# KiCad board PC110.kicad_pcb (continued)
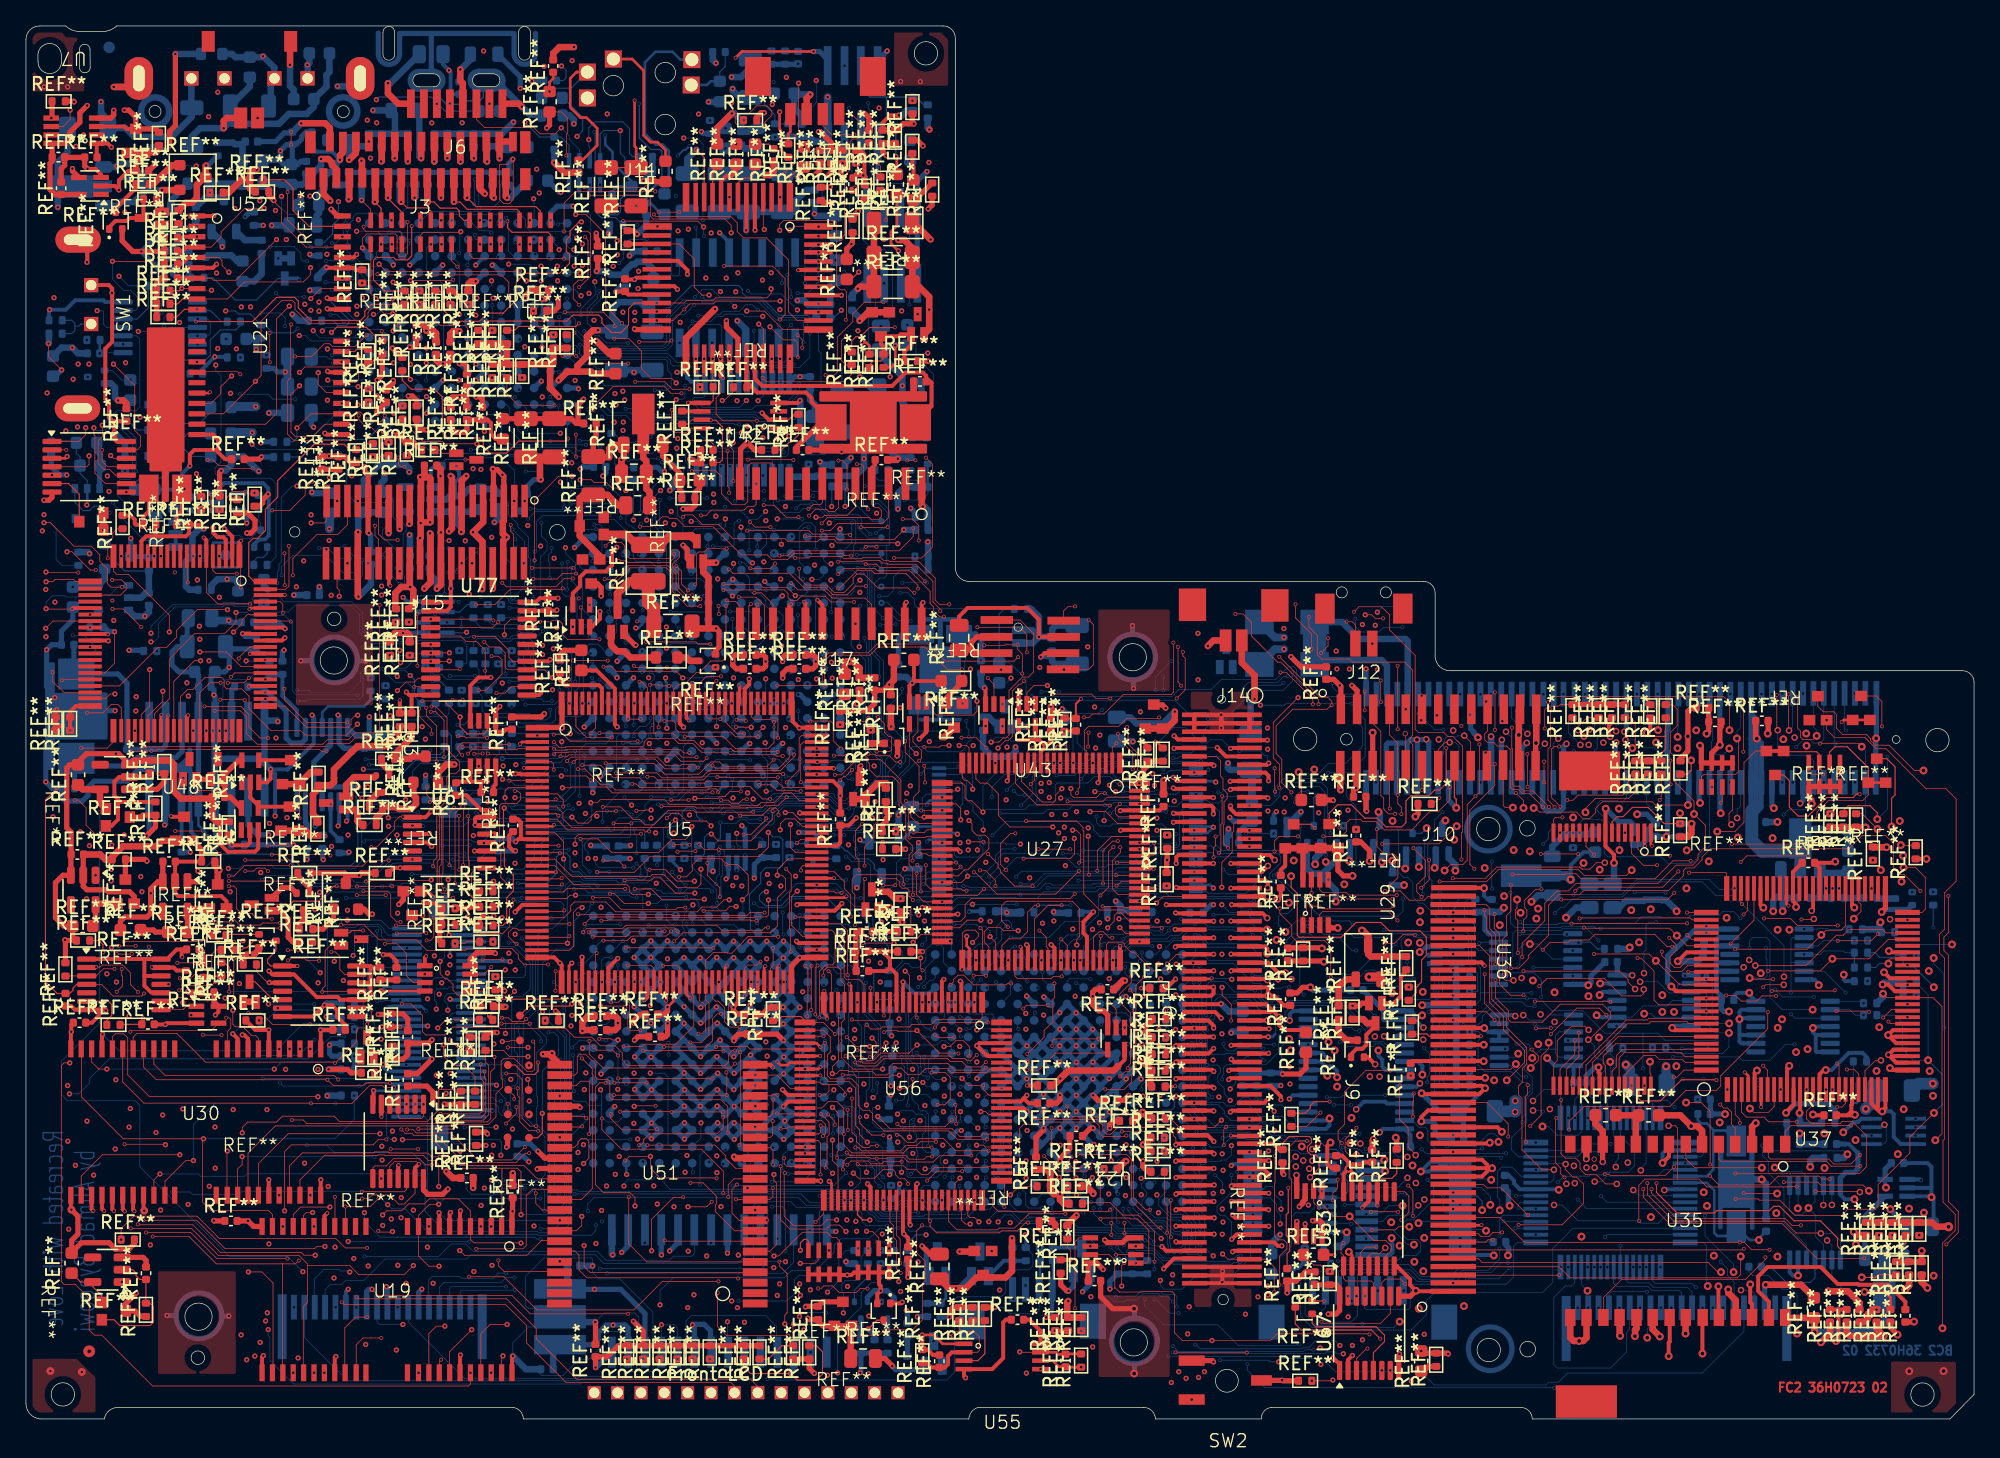
[diagram p0: board, top side]
## Routing (per net, layer and track width the routed paths; a pad name or vN(x,y) marks a point on that pad's centre or on a via; arc(x,y) is an arc through that point) (continued)
  BC2 w0.05: U23.C12 U23.C13 28.54,76.91 27.73,76.1 v1(27.54,76.1) ; U1.P5 60.36,33.53 v11(60.36,33.09) ; v11(65.46,68.27) 65.52,68.27 65.83,68.58 65.87,68.58 65.88,68.59 66.08,68.59 66.33,68.84 66.33,69.89 65.66,70.56 v11(65.32,70.56) ; 60.17,60.37 59.46,61.08 v11(59.46,61.95) ; v11(122.52,30.27) 122.52,30.28 U41.8 ; v11(41.03,58.39) 40.76,58.12 39.44,58.12 39.08,58.48 39.08,59.44 38.73,59.79 v11(38.32,59.79) ; v11(50.88,85.84) 50.52,85.84 49.56,84.88 49.56,82.91 49.13,82.48 43.57,82.48 43.28,82.77 43.28,83.05 42.32,84.01 42.32,84.73 41.9,85.15 41.36,85.15 41.22,85.29 40.92,85.29 U23.M6 ; v11(64.04,71.63) 64.8,70.87 65.68,70.87 66.51,70.04 66.51,67.34 66.47,67.3 66.31,67.3 ; v11(48.69,74.02) 47.28,74.02 47.17,73.91 v11(46.4,73.91) ; v11(41.11,54.5) 41.46,54.15 42.72,54.15 42.93,54.36 42.93,54.97 43.22,55.26 43.67,55.26 ; v11(51.34,38.17) 51.32,38.19 U1.G1 ; v11(48.44,79.28) 49.37,79.28 49.7,79.61 49.7,80.52 49.44,80.78 49.44,81.5 49.29,81.65 42.71,81.65 42.33,82.03 42.33,82.27 v11(42.22,82.38) ; v11(44.8,45.51) 44.75,45.46 37.47,45.46 v11(37.22,45.21) ; v11(58.23,60.7) 58.38,60.7 58.71,60.37 58.89,60.37 ; v1(41.27,52.19) 41.27,51.19 40.97,50.89 v13(36.69,50.89) ; 58.89,64.18 59.05,64.02 v11(59.1,64.02) ; v11(19.96,84.22) 19.96,84.85 19.58,85.23 v11(18.06,85.23) ; U41.10 122.48,31.54 v11(122.01,31.54) ; U1.R13 61.48,23.39 60.84,22.75 60.84,19.29 59.83,18.28 v11(57.47,18.28) ; REF**#705.2 65.39,72.63 65.67,72.35 v11(69.01,72.35) ; 61.45,50.18 62.03,50.76 v1(63.2,50.76) ; 55.09,67.99 55.09,68.73 v1(55.08,68.73) ; v11(69.39,78.02) 69.89,78.52 69.89,80.52 69.03,81.38 69.03,81.92 69.25,82.14 v1(69.46,82.14) ; v11(43.3,77.17) 43.3,77.79 v11(43.31,77.8) ; v11(38.59,59.42) 38.88,59.13 38.88,58.18 39.09,57.97 41.09,57.97 41.4,58.28 41.4,58.92 41.87,59.39 42.15,59.39 42.31,59.23 v11(42.31,56.82) ; U14.17 104.51,15.24 104.97,15.7 106.48,15.7 v5(107.24,16.46) ; U54.9 118.27,30.48 118,30.21 116.56,30.21 116.36,30.41 v11(116.21,30.41) ; U1.T5 62.89,33.54 v11(62.99,33.54) ; v1(74.34,52.16) 74.72,52.54 75.6,52.54 75.9,52.24 77.16,52.24 77.72,52.8 77.72,54.09 77.03,54.78 77.03,57 75.76,58.28 74.96,58.28 ; 66.31,67.3 66.31,65.02 66.09,64.8 65.75,64.8 65.37,64.42 65.37,62.4 65.99,61.78 v11(65.99,61.73) ; 66.31,67.3 64.73,67.3 v11(64.41,66.98) ; v11(44.89,55.85) 44.94,55.8 44.94,55.26 ; U1.L1 56.4,38.25 v11(56.34,38.19) ; v11(13.21,82.82) 13.25,82.82 13.27,82.84 ; 52.55,67.99 52.55,67.3 v11(52.5,67.25) ; 54.42,59.61 54.42,58.88 v11(54.43,58.87) ; 54.42,59.61 56.41,59.61 57,60.2 57,61.02 57.63,61.64 ; 54.42,59.61 v11(54.42,61.65) ; 51.28,67.99 51.28,68 51.28,68.33 51.55,68.6 53.7,68.6 53.87,68.77 v1(53.87,69.36) ; v11(33.33,62.97) 33.32,62.99 32.43,62.99 ; v11(67.77,52.46) 68.32,53.01 71.9,53.01 v11(71.92,53.03) ; U23.C9 28.42,81.99 28.23,82.18 v1(28.23,82.52) ; v11(50.69,37.33) 50.69,37.77 50.59,37.87 50.59,38.42 50.71,38.54 50.71,38.96 v1(51.37,39.62) ; U1.T7 62.66,31.05 v11(62.59,31.05) ; v11(35.42,79.26) 35.42,79.36 U23.H11 ; v11(48.11,53.99) 48.11,53.74 47.73,53.36 47.25,53.36 46.81,52.92 v11(46.81,52.62) ; 56.36,65.45 55.84,65.45 55.3,65.99 v11(54.99,65.99) ; v11(36.78,80.67) 36.65,80.67 U23.J10 ; v11(49.58,70.94) 50.28,70.94 v11(50.3,70.96) ; v11(103.19,20.79) 104.16,20.79 v11(104.18,20.77) ; v11(64.64,45.77) 64.26,45.77 64.02,45.53 v11(61.18,45.53) ; v1(39.77,23.55) 39.77,26.81 41.01,28.05 41.01,29.45 40.66,29.8 v11(40.24,29.8) ; U1.P3 60.06,36.37 59.61,36.37 v11(59.58,36.34) ; v11(62.43,33.07) 62.17,32.81 61.88,32.81 U1.R6 ; v11(49.76,42.15) 50.76,41.15 v11(50.81,41.15) ; 132.7,11.73 132.7,11.38 133.02,11.06 134.21,11.06 135.27,10 135.97,10 136.42,9.55 v3(136.42,6.58) ; v11(8.48,73.03) 8.48,75.57 7.35,76.7 6.59,76.7 6.08,76.19 5.42,76.19 v1(5.23,76.38) ; 61.44,66.72 61.44,66.22 61.75,65.9 v1(62.02,65.9) ; U26.14 52.3,78.87 52.15,78.72 51.5,78.72 51.33,78.55 51.33,78.22 51.47,78.08 51.58,78.08 51.88,77.78 55.91,77.78 56.22,78.09 58.65,78.09 59.56,79 v11(59.56,79.74) ; v11(36.55,90.61) 36.55,90.83 U23.J2 ; v1(58.19,67.4) 58.19,67.74 57.94,67.99 57.63,67.99 ; 39.1,83.2 39.14,83.24 U23.L8 39.19,83.31 v11(39.24,83.31) ; U23.J9 36.58,81.97 v11(36.58,81.73) ; v11(133.74,21.07) 133.74,20.32 134.2,19.86 134.2,18.96 135.41,17.75 135.41,15.12 137.15,13.38 REF**#859.12 ; v1(74.62,8.61) 75.31,8.61 75.81,8.11 77.79,8.11 78.04,8.36 J13.2 ; v11(50.99,72.22) 50.99,73.59 50.78,73.8 50.78,74.28 51.03,74.53 57.52,74.53 v11(57.6,74.45) ; 47.48,55.26 47.48,55.42 48.09,56.03 48.09,56.74 48.39,57.04 48.39,57.3 v11(48.12,57.57) ; v1(44.26,25.37) 44.34,25.29 44.34,24.16 ; v3(142.6,46.22) 143.39,47.01 v11(143.39,51.04) ; v11(38.5,73.01) v11(39.51,73.01) ; v11(54.94,44.04) 54.94,44.11 54.75,44.3 v1(54.75,45.13) ; v1(46.21,71.54) 45.71,72.04 45.71,72.83 46.21,73.33 REF**#511.2 ; v11(108.93,40.54) 108.92,40.53 v11(108.92,39.32) ; U23.A10 26.44,80.06 v11(26.4,80.02) ; v11(49.98,63.42) 50.01,63.45 50.01,64.18 ; v11(44.37,77.24) 43.64,76.51 42.64,76.51 v11(42.31,76.84) ; v11(5.68,82.12) 5.73,82.17 7.48,82.17 ; v11(58.35,37.33) 58.29,37.39 v11(58.29,39.03) ; v11(64.69,33.61) 64.69,33.14 64.65,33.1 64.65,31.47 65.81,30.31 65.81,27.58 65.23,27 v11(65.23,25.31) ; v11(42.99,52.8) 42.54,52.8 41.61,53.73 41.2,53.73 40.79,53.32 37.94,53.32 37.82,53.44 36.04,53.44 35.45,52.85 REF**#709.2 ; v11(69.39,64.45) 69.38,64.44 v11(67.5,64.44) ; v11(38.22,62.2) 37.76,61.74 REF**#531.1 ; v11(53.23,58.53) 53.23,59.22 52.7,59.75 49.68,59.75 v1(49.33,59.4) ; v11(54.47,54.22) v11(54.47,53.53) ; v11(41.23,47.91) 41.94,48.62 v11(41.94,50.51) ; v11(110.47,13.94) 111.6,13.94 111.89,13.64 113.02,13.64 ; v11(50.86,40.24) 50.83,40.27 48.73,40.27 48.57,40.43 47.95,40.43 v1(47.94,40.42) ; v11(53.2,50.12) 53.27,50.19 U2.J15 ; v1(62.11,57.09) 62.01,57.09 61.45,56.53 ; v1(36.03,38.76) 36.03,38.27 36.4,37.9 37.67,37.9 38.34,38.57 v11(40.48,38.57) ; v11(24.77,88.22) 24.8,88.25 v11(24.8,88.85) ; U26.11 52.19,72.63 v11(52.19,72.1) ; v11(6.7,70.62) 6.7,70.54 7.39,69.85 7.39,69.45 9.14,67.7 REF**#524.3 ; v5(139.1,16.49) REF**#859.6 ; v11(46.32,74.35) 45.94,74.35 45.67,74.62 45.67,75.58 45.31,75.94 REF**#712.2 ; v11(53.4,43.61) 53.4,41.98 53.16,41.74 v11(53.16,41.22) ; v3(114.94,28.15) 114.67,27.88 U54.2 ; v11(44.58,78.09) 45.14,77.53 46.57,77.53 46.83,77.27 47.39,77.27 47.45,77.21 56.12,77.21 56.45,76.88 57.52,76.88 58.17,76.23 58.99,76.23 59.31,75.91 59.31,74.87 59.84,74.34 61.52,74.34 61.74,74.56 v11(61.74,74.96) ; U23.N7 42.1,84.11 42.1,83.88 43.11,82.87 43.11,82.52 43.31,82.32 49.34,82.32 49.81,82.79 49.81,84.76 50.15,85.1 50.72,85.1 v11(51.47,85.85) ; U23.J11 36.56,79.49 v11(36.56,79.57) ; v11(24.32,72.52) 24.29,72.55 v1(23.37,72.55) ; v11(49.14,72.42) 48.89,72.17 48.67,72.17 48.27,71.77 48.27,68.92 48.09,68.74 48.09,67.44 v11(47.85,67.2) ; U1.R5 61.45,33.65 v11(61.45,33.43) ; v11(43.01,50) 43.01,51.13 v11(42.99,51.15) ; v11(38.33,59.02) 38.33,58.1 38.75,57.68 v11(41.3,57.68) ; 47.47,59.2 47.47,59.19 v11(47.45,59.17) ; U41.4 126.85,32.26 126.42,31.83 124.56,31.83 123.69,30.96 U41.9 ; v11(10.86,95.82) 10.86,96.34 11.08,96.56 v1(13.12,96.56) ; v11(55.7,66.93) 55.7,69.32 55.71,69.33 ; U54.8 117.78,31.13 117.77,31.14 117.32,31.14 116.91,30.73 115.81,30.73 115.42,31.12 v5(115.33,31.12) ; v11(88.35,5.62) 88.76,5.21 98.4,5.21 98.53,5.34 v11(99.17,5.34) ; v11(44.31,32.39) 44.31,33.94 44.69,34.32 45.35,34.32 45.6,34.57 v11(45.6,35) ; v11(40.72,51.17) 37.17,51.17 36.95,51.39 36.95,51.43 36.94,51.44 36.94,52.34 REF**#817.2 ; v1(60.89,57.03) 60.89,57.05 61.45,57.61 61.45,57.8 ; U14.9 112.39,14.59 v3(112.46,14.51) ; 48.73,67.99 48.73,68.49 48.47,68.75 48.47,71.13 48.58,71.24 48.58,71.25 v1(48.88,71.55) ; v1(60.53,64.7) 61.11,64.7 61.44,65.03 61.44,65.45 ; v1(57.62,12.56) 57.14,13.04 57.14,16.17 56.96,16.35 v11(56.45,16.35) ; v11(57.08,24.21) 57.08,26.3 v11(57.07,26.31) ; U23.J8 37.01,83.26 37.27,83 v11(37.27,79.84) ; 43.66,59.2 43.47,59.01 v11(43.47,58.99) ; v11(46.1,47.9) 46.65,47.35 v1(46.65,47.3) ; REF**#859.4 137.8,16.75 v3(137.3,16.25) ; v11(44.39,86.45) 44.39,86.42 43.51,85.54 v11(43.51,85.25) ; v11(127.79,34.16) 128.22,34.16 U41.1 ; v11(108.65,32.44) 108.96,32.44 109.12,32.6 v11(109.12,33.91) ; v11(46.07,72.37) 46.08,72.36 ; U1.C7 45.62,31.76 44.9,31.76 v11(44.31,31.17) ; REF**#713.2 34.47,59.81 34.8,60.14 36.3,60.14 36.55,59.89 37.26,59.89 37.51,60.14 38.79,60.14 v11(39.22,59.71) ; v11(50.36,40.77) 49.65,41.48 49.16,41.48 48.86,41.78 48.31,41.78 47.84,41.31 v11(46.07,41.31) 45.65,41.31 45.47,41.49 42.96,41.49 42.52,41.93 41.76,41.93 41.49,42.2 41.49,43.08 v1(41.41,43.16) ; 60.17,65.45 59.6,66.02 59.6,68.37 59.94,68.71 v11(60.28,68.71) ; v11(46,75.26) 47.01,75.26 v11(47.03,75.24) ; v3(106.03,16.43) 104.97,16.43 104.42,15.89 U14.18 103.25,15.87 v11(103.25,15.77) ; v11(37.69,90.67) 37.69,90.7 U23.K2 ; U1.G15 51.99,21.65 v1(51.99,22.82) ; v11(41.09,56.17) 41.09,56.51 40.91,56.69 38.09,56.69 37.96,56.82 v11(37.23,56.82) ; 62.72,57.8 63.49,57.8 64.53,56.76 64.53,52.61 64,52.08 ; v11(46.78,42.49) 44.14,42.49 43.87,42.76 v1(43.87,43.19) ; U23.M7 41.08,83.86 41.08,83.09 41.55,82.62 41.97,82.62 42.09,82.74 42.36,82.74 42.62,82.48 42.62,82.09 42.88,81.83 49.39,81.83 49.66,81.56 49.66,81.33 49.85,81.14 50.55,81.14 50.62,81.07 52,81.07 52.14,81.21 53.24,81.21 v11(53.25,81.22) ; U40.3 136.25,30.89 v11(135.95,31.19) ; REF**#823.7 142.97,22.49 v5(143.15,22.67) 143.29,22.53 143.29,21.39 143.08,21.19 REF**#823.5 ; v11(119.2,40.4) 122.91,40.4 124.09,41.58 129.64,41.58 130.41,40.81 v11(131.49,40.81) ; 43.67,52.72 43.63,52.68 v11(43.63,52.53) ; U1.F15 49.71,20.98 49.45,21.24 49.45,26.37 49.17,26.65 v1(48.09,26.65) ; U23.N8 41.68,83.71 41.07,84.32 v11(41.07,84.9) ; v11(77.99,51.11) 77.34,51.11 77.11,50.88 77.1,50.88 v11(76.32,50.1) ; v11(53.48,40.31) 53.53,40.36 53.53,41.79 53.65,41.91 53.65,43.11 53.79,43.25 53.79,43.75 v11(53.45,44.09) ; v11(46.21,53.38) 46.21,53.99 ; v11(46.19,77.85) 46.76,77.85 47.16,77.45 47.57,77.45 47.63,77.39 56.22,77.39 56.48,77.13 v11(59.14,77.13) ; REF**#813.4 65.89,65.92 65.65,66.16 64,66.16 63.73,66.43 63.73,67.3 63.92,67.49 63.92,69.17 63.77,69.32 62.32,69.32 62.18,69.46 61.76,69.46 61.04,70.18 59.88,70.18 59.55,69.85 58.14,69.85 57.6,70.39 v11(57.6,71.38) ; 43.67,57.8 43.67,58.3 v11(43.6,58.37) ; 58.14,72.73 58.14,74.02 58.29,74.16 58.52,74.16 58.76,74.4 v1(58.76,75.76) ; v11(30.31,90.67) 30.31,90.82 U23.D2 ; v1(64.26,3.56) 64.31,3.61 ; v11(65.89,62.89) 66.38,62.89 67.35,61.92 v11(67.81,61.92) ; v11(42.68,82.79) 42.81,82.79 42.97,82.63 42.97,82.31 43.18,82.1 49.44,82.1 50.12,81.42 51.35,81.42 51.44,81.33 v11(51.6,81.33) ; v11(10.75,79.28) 10.77,79.3 REF**#492.1 ; 56.36,66.72 57.04,67.41 57.04,68.09 56.59,68.54 v11(55.94,68.54) ; v11(34.57,57.27) 34.56,57.26 v11(32.65,57.26) ; 134.38,20.73 v11(134.31,20.66) 140.04,20.66 v3(140.3,20.4) ; REF**#780.1 34.47,61.57 35.13,60.91 v11(38.57,60.91) ; v11(10.44,85.25) REF**#537.1 ; v11(33.84,52.82) 33.4,52.82 REF**#559.2 ; 61.44,67.99 61.43,68 v11(61.43,68.07) ; 46.21,52.72 45.65,52.72 45.5,52.57 v11(45.5,49.35) ; v11(57.61,68.51) 59.39,68.51 59.94,69.06 60.48,69.06 60.8,68.74 60.8,67.02 v11(60.82,67) ; v11(13.21,83.47) 14.01,83.47 14.19,83.65 14.19,84.57 13.99,84.77 v11(13.21,84.77) ; v1(46.79,69.27) 46.81,69.29 REF**#648.2 ; v11(38.2,61.22) 35.9,61.22 35.57,61.55 REF**#771.1 ; 94.51,17.04 95.83,17.04 96.3,16.56 96.3,16.06 96.61,15.75 v1(96.61,15.03) ; v1(50.13,74.81) 50.13,74.22 50.37,73.98 50.37,71.44 50.6,71.21 50.6,70.83 50.2,70.43 50.2,69.65 50.6,69.25 50.6,68.17 50.42,67.99 50.01,67.99 ; v11(100.75,24.2) v11(102.06,24.2) ; v11(45.56,73.4) 45.36,73.6 45.36,74.45 45.09,74.72 REF**#712.1 ; v11(116.72,32.51) 116.72,33.82 116.16,34.38 114.41,34.38 114.17,34.14 U28.9 ; U23.A9 25.97,82.46 v1(23.22,82.46) ; U41.2 127.34,33.56 127.19,33.41 127.19,33.06 126.96,32.83 126.57,32.83 125.71,33.69 v5(124.33,33.69) ; v11(51.62,78.34) 51.76,78.34 52.15,77.95 54.95,77.95 v1(55.49,78.49) ; v11(45.67,54.63) 45.67,55.13 45.54,55.26 v11(45.54,55.82) ; v11(110.14,53.79) 109.63,54.3 J8.42 ; v11(67.34,50.32) 67.38,50.32 67.73,50.67 67.73,51.75 67.46,52.02 67.46,52.53 66.3,53.69 66.3,54.78 67.47,55.95 v11(67.47,56.27) ; v11(60.22,38.17) 60.21,38.18 U1.P1 ; v5(110.78,52.66) 110.3,52.66 110.21,52.57 109.44,52.57 109.24,52.37 109.24,52.2 109.19,52.15 109.19,51.26 108.78,50.85 J8.58 ; v11(135.38,46.57) 135.75,46.94 138.95,46.94 139.28,47.27 J8.96 ; v11(56.43,19.44) 56.43,19.68 U1.L16 ; v1(41.23,99.5) 41.84,98.89 41.84,98.61 42.62,97.83 42.62,96.96 ; REF**#852.2 36.48,59.21 36.9,58.79 36.9,57.69 36.94,57.65 v11(36.94,57.43) ; v11(57.49,47.62) 57.84,47.97 61.96,47.97 62.52,47.41 63.21,47.41 64.38,48.58 64.38,49.72 64.73,50.07 64.73,50.9 64.68,50.95 64.68,58.46 63.56,59.58 63.56,60.29 63.77,60.5 v11(63.83,60.5) ; v11(28.93,78.74) 28.98,78.79 U23.C11 ; v3(142.61,45.46) 141.68,46.39 J8.99 141.68,51.53 v3(141.4,51.81) ; v1(8.65,83.81) 10.74,83.81 11.05,84.12 U10.11 ; v11(69,83.63) 68.56,83.19 68.56,81.57 68.05,81.06 v11(68.05,80.58) ; v11(58.96,38.15) 58.94,38.17 U1.N1 ; v11(58.5,12.94) 58.5,16.11 58.25,16.36 v11(57.48,16.36) ; U23.M8 41.22,82.45 v11(41.22,82.38) ; U23.L13 39.14,77.36 39.33,77.55 40.83,77.55 41.02,77.74 v11(41.02,78.1) ; v11(141.54,31.12) 140.9,31.12 140.48,31.54 U40.2 ; 5.68,83.12 REF**#489.1 ; U23.K13 37.87,76.22 38.13,75.96 v1(41.16,75.96) ; U23.M10 41,80.72 v11(41.05,80.67) ; v11(42.03,59.07) 42.03,55.39 41.9,55.26 v11(41.9,54.41) ; v11(65.19,55.32) 65.19,51.65 65.99,50.85 65.99,49.08 v11(65.49,48.58) ; v11(52.88,57.2) 52.79,57.11 v1(50.59,57.11) ; 55.71,69.33 56.36,69.33 v1(56.97,69.94) ; 55.71,69.33 55.06,69.98 51.26,69.98 51.09,70.15 51.09,70.41 50.82,70.68 50.82,71.49 50.65,71.66 v11(50.65,73.3) ; v1(5.88,76.58) 6.89,77.59 6.91,77.59 7.04,77.72 8.51,77.72 8.77,77.98 8.77,83.22 8.52,83.47 7.48,83.47 ; v11(39.77,78.12) 39.71,78.18 U23.L12 ; U23.L6 39.2,85.74 v11(39.24,85.74) ; U23.E10 31.52,81.21 31.36,81.37 v1(30.84,81.37) ; U8.5 98.13,17.69 97.26,18.56 97.26,19.17 97.25,19.17 97.25,19.67 v5(97.79,20.21) ; v11(65.42,89.04) 65.42,85.73 64.88,85.19 64.88,82.54 64.54,82.2 64.12,82.2 62.85,80.93 REF**#787.1 ; v5(123.2,52.33) 123.91,52.33 124.52,51.72 125.45,51.72 125.63,51.54 J8.79 ; v11(54.93,76.64) 54.57,76.64 54.49,76.72 47.98,76.72 47.77,76.51 47.05,76.51 46.23,77.33 44.82,77.33 v11(44.01,78.14) ; v11(28.96,74.41) 28.95,74.42 v11(28.95,75.71) ; U23.N9 42.42,81.25 43.69,81.25 v11(44.08,80.86) ; v11(27.65,82.58) 27.71,82.52 U23.B9 ; v1(46.06,17.95) 46.06,18.14 46.34,18.42 48.24,18.42 48.78,18.96 U1.E16 ; v3(106.91,13.43) 106.42,13.43 105.27,14.59 U14.16 ; v11(30.19,53.87) 28.6,53.87 28.04,53.31 v11(27.69,53.31) ; v11(52.52,66.01) 52.55,66.04 52.55,66.72 ; v11(52.04,48.28) 52.3,48.28 52.56,48.54 52.56,48.91 ; U23.N5 42.24,87.07 v1(42.75,86.56) ; U28.1 119.08,37.33 v11(118.68,37.33) 115.09,37.33 v11(115.05,37.37) ; 44.34,24.16 44.33,24.17 43.37,24.17 43.08,24.46 42.27,24.46 41.87,24.86 41.87,29.74 41.57,30.04 41.57,32.74 v11(40.65,33.66) ; 44.34,24.16 44.34,23.3 44.75,22.89 45.61,22.89 U1.C13 ; REF**#574.1 18.64,65.81 19.26,66.43 19.26,72.08 18.84,72.5 14.92,72.5 14.57,72.85 14.57,73.28 15.02,73.73 15.02,80.4 14.62,80.8 v1(14.62,81.22) ; v11(119.54,28.45) 119.28,28.45 U54.12 ; v11(93.55,12.58) 93.27,12.58 93.05,12.36 92.86,12.36 92.62,12.12 88.45,12.12 88.17,12.4 87.62,12.4 86.85,13.17 86.34,13.17 85.41,14.1 83.92,14.1 83.46,14.56 80.68,14.56 79.98,15.26 76.65,15.26 75.85,16.06 74.82,16.06 74.16,15.4 v1(74.16,15.2) ; U23.B8 27.71,83.65 27.39,83.97 25.58,83.97 25.42,84.13 23.11,84.13 v1(22.83,83.85) ; U1.D16 47.52,19.72 v11(47.52,19.84) ; v1(42.3,42.66) 42.41,42.66 43.23,41.84 v11(47.36,41.84) 47.36,42.47 v11(47.03,42.8) ; v1(7.17,88.06) 7.91,87.32 REF**#537.2 ; v11(52.92,67.25) 54.43,67.25 54.54,67.36 54.54,68.97 54.57,69 54.57,69.04 54.76,69.23 v11(54.93,69.23) ; 58.91,66.69 58.32,66.69 v11(58.23,66.6) ; v1(59.26,63.45) 59.93,63.45 60.17,63.69 60.17,64.18 ; 4.7,90.2 4.02,90.88 ; U23.K9 38.42,82.54 v1(38.42,82.63) ; 135.95,35.15 135.95,36.97 136.08,37.1 U39.2 ; 135.95,35.15 U39.5 ; 135.95,35.15 v11(135.95,32.85) ; v11(45.6,33.98) 45.6,33.3 45.9,33 v11(46.23,33) ; v11(52.89,39.44) 53.18,39.44 U1.J1 ; U1.D15 47.42,20.89 v11(47.33,20.89) ; 51.28,65.45 51.25,65.43 v11(51.25,65.12) ; v11(108.89,34.56) 108.89,34.2 108.83,34.14 108.83,32.95 108.61,32.73 108.48,32.73 108.07,32.32 v11(105.71,32.32) ; v1(36.71,49.29) 37.21,49.29 37.66,48.84 38.93,48.84 40.29,50.2 41.38,50.2 v11(41.6,49.98) ; v11(17.88,58) 17.88,57.71 17.15,56.98 15.44,56.98 15.17,56.71 v11(15.17,52.26) ; v1(14.29,86.98) 12.74,86.98 10.63,84.87 v11(10.63,84.22) ; v11(46.41,36.18) 46.28,36.18 U1.C3 ; REF**#648.1 47.83,69.29 v1(47.81,69.27) ; v11(31.88,45.68) 33.69,45.68 34.23,46.22 34.89,46.22 35.37,45.74 42.8,45.74 43.59,46.53 43.59,47.4 v1(43.5,47.49) ; v11(40.39,54.66) 40.39,54.15 40.11,53.87 39.27,53.87 38.78,54.36 36.43,54.36 36.12,54.67 36.12,55.36 36.93,56.16 REF**#487.2 ; U54.11 119.18,29.16 v11(118.78,29.16) ; v11(62.17,23.33) 62.16,23.32 v11(62.16,21.99) ; v11(53.02,76.31) 52.97,76.36 48.77,76.36 v11(48.1,75.69) ; v11(68.14,61.51) 67.17,61.51 v11(66.29,62.39) ; 44.94,59.07 44.7,59.07 44.06,59.71 43.39,59.71 42.92,59.24 42.92,55.88 42.64,55.6 v11(42.64,54.53) ; v1(47.94,39.73) 48.63,39.73 48.88,39.98 51.08,39.98 51.2,40.1 51.55,40.1 51.83,39.82 51.83,39.52 U1.H1 ; 60.18,57.8 59.61,57.8 v11(59.55,57.74) ; 53.82,67.99 53.72,67.89 v11(53.65,67.89) ; v11(64.01,66.59) 65.79,66.59 REF**#813.3 ; v3(137.3,16.25) 136.81,15.76 136.14,15.76 135.85,16.05 REF**#859.1 ; v3(137.3,16.25) 137.82,15.73 137.82,14.05 138.45,13.42 REF**#859.U3-Pad1 ; v1(55.18,40.01) 55.22,39.97 55.22,38.85 U1.K1 ; REF**#692.1 99.3,13.29 99.16,13.15 v11(98.5,13.15) ; v11(31.7,42.28) 31.14,42.85 28.61,42.85 28.58,42.82 28.27,42.82 v11(28.01,42.56) ; v11(19.35,64.43) 19.35,65.28 19.49,65.42 19.49,65.87 19.66,66.04 19.66,71.03 20.52,71.89 v1(20.87,71.89) ; v11(54.23,62.23) 55.75,62.23 56.37,61.61 ; v11(43.01,52.32) 41.81,52.32 41.3,52.83 REF**#585.2 ; v11(63.45,49.75) 63.48,49.78 63.48,50.47 63.64,50.63 63.64,51.8 62.72,52.72 ; v11(39.12,81.29) 39.14,81.31 U23.L9 ; U1.B7 44.97,30.67 44.7,30.4 v11(44.13,30.4) ; v11(52.78,47) 52.86,47 52.96,47.1 53.31,47.1 53.54,47.33 55.63,47.33 55.98,46.98 56.57,46.98 57.07,47.48 57.07,47.69 57.57,48.19 62.15,48.19 62.28,48.06 62.28,47.96 62.58,47.66 63.11,47.66 64.03,48.58 64.03,49.95 63.89,50.09 63.89,51.97 64,52.08 ; J8.60 110.38,51.77 110.4,51.79 110.4,51.83 110.09,52.14 v5(109.66,52.14) ; v11(38.24,55.5) 39.67,55.5 39.86,55.31 v11(40.5,55.31) ; v11(48.81,70.82) 48.81,68.8 49.34,68.27 49.34,65.25 49.81,64.78 51.95,64.78 52.55,64.18 ; v11(48.07,52.63) 48.07,53.26 v11(48.28,53.47) ; v11(34.65,46.73) 34.82,46.73 35.14,46.41 36.22,46.41 36.37,46.26 40.98,46.26 41.1,46.38 v1(42.05,46.38) ; U23.D12 30.25,78.69 v11(30.2,78.74) ; v11(42.13,46.99) 41.66,46.99 41.24,46.57 37.35,46.57 v1(36.84,47.08) ; v11(59.01,68.01) 58.92,68.01 58.89,67.99 ; 60.18,62.88 59.6,62.88 v11(59.51,62.79) ; v11(50.75,63.43) 50.75,63.5 50.9,63.65 50.9,63.81 51.28,64.18 ; v11(53.52,54.56) 56.43,54.56 v11(56.44,54.57) ; REF**#459.1 69.48,71.3 68.99,70.81 v11(67.67,70.81) ; v11(66.94,43.53) 66.92,43.51 v11(64.11,43.51) ; v11(62.33,63.44) 63.43,63.44 63.78,63.79 63.78,64.18 v1(64.24,64.64) ; 48.75,55.26 48.4,55.61 v11(48.4,55.82) ; v11(63.4,71) 65.21,69.19 REF**#813.1 ; v11(45.26,36.84) 44.32,36.84 U1.A3 43.7,35.8 42.96,35.06 v11(42.65,35.06) ; v11(53.24,39.74) 53.24,40.1 53.21,40.13 53.21,40.73 52.04,41.9 51.92,41.9 51.27,42.55 51.27,45.64 v1(51.29,45.66) ; v11(43.6,57.12) 43.68,57.05 43.68,56.54 ; v11(48.01,54.64) 48.1,54.64 48.75,53.99 ; v11(52.28,63.44) 52.27,63.45 v11(51.65,63.45) ; v11(53.72,46.66) 53.97,46.91 54.55,46.91 54.86,46.6 56.73,46.6 v11(57.05,46.28) ; U23.D11 30.25,79.89 30.03,80.11 v1(29.61,80.11) ; v11(55.83,75.93) 55.83,76.14 56.06,76.37 56.06,76.66 55.74,76.98 47.12,76.98 v11(47.04,76.9) ; v11(44.19,56.98) 44.2,56.98 44.65,56.53 44.94,56.53 ; v11(37.83,92.25) 37.83,92.19 U23.K1 ; v11(36.32,73.66) 37.06,73.66 37.64,73.08 REF**#721.1 ; v1(17.43,75.11) 17.83,74.71 21.13,74.71 25.23,78.81 25.8,78.81 U23.A11 ; v11(47.37,37.6) 47.4,37.6 U1.D2 ; v11(110.72,30.36) 111.85,30.36 112.17,30.68 112.17,31.01 113.3,32.14 115.24,32.14 115.57,31.81 v11(116.2,31.81) ; v1(5.48,85.41) 5.86,85.41 5.96,85.31 5.96,84.37 6.21,84.12 7.48,84.12 ; U1.A13 41.82,21.64 41.82,15.76 40.71,14.65 v11(39.64,14.65) ; REF**#813.2 65.83,67.88 64.87,67.88 64.08,68.67 64.08,69.39 63.99,69.48 62.46,69.48 62.29,69.65 61.85,69.65 60.71,70.79 v11(57.9,70.79) ; U1.T10 62.8,27.28 v11(62.8,27.03) ; v11(65.79,61.21) 66.97,61.21 v11(67,61.24) ; v11(30.2,46.75) 30.17,46.72 27.28,46.72 25.86,45.3 25.86,42.97 25.3,42.41 19.15,42.41 18.89,42.67 16.71,42.67 16.46,42.42 v1(15.59,42.42) ; U23.J3 36.53,89.54 v11(36.36,89.54) ; U28.4 117.58,35.44 116.42,36.6 v3(115.84,36.6) 115.39,36.6 115.07,36.28 115.07,35.04 114.82,34.79 U28.10 ; 52.55,65.45 52.55,64.83 v11(52.54,64.82) ; v11(60.21,36.9) U1.P2 ; 44.94,53.99 44.94,54.53 v11(44.9,54.57) ; 32.48,48.08 34.22,48.08 34.37,48.23 36.03,48.23 36.35,48.55 39.38,48.55 40.38,49.55 v1(41.24,49.55) ; v11(60.21,34.35) U1.P4 ; REF**#859.3 137.15,18.68 136.79,19.04 135.1,19.04 134.77,19.37 v3(134.7,19.37) ; U1.K2 54.54,38.08 52.43,38.08 v11(51.94,38.57) ; v1(37.66,47.88) 39.51,47.88 39.64,47.75 39.68,47.75 39.83,47.6 41.53,47.6 42.3,48.37 v11(42.3,51.48) ; U1.B3 45.36,36.22 v11(45.97,36.83) ; v11(114,20.47) 113.99,20.46 107.83,20.46 v11(107.5,20.79) ; v11(147.73,30.15) 147.73,34.3 146.94,35.09 v3(146.94,35.52) ; 64,52.08 64.01,52.09 ; v11(46.17,55.83) 46.22,55.79 U2.C11 ; 42.5,79.45 v1(42.56,79.39) ; v11(45.78,38.12) 43.31,38.12 42.97,37.78 v11(42.97,37.48) ; v11(64.24,62.68) 64.24,60.61 64.18,60.55 v1(64.18,59.51) ; v11(59.86,64.72) 59.63,64.72 58.89,65.45 ; v11(72.42,56.81) 72.42,57.22 72.3,57.34 72.3,58.42 72.39,58.51 v11(72.39,59.11) ; v1(42.33,40.36) 46.46,40.36 46.63,40.19 v11(47.04,40.19) ; v11(49.12,41.97) 49.12,45.52 49.76,46.16 v1(50.03,46.16) ; v11(43.67,31.7) 43.7,31.67 U1.A7 ; U1.E15 48.79,20.99 v11(48.79,21.11) ; v11(60.17,61) 60.17,61.64 ; 61.44,64.18 60.92,64.18 v11(60.82,64.08) ; v11(42.86,33.07) 43.5,33.07 43.7,32.87 U1.A6 ; v11(38.54,76.25) 38.54,77.88 38.24,78.18 U23.K12 ; v11(59.33,70.17) 59.66,70.5 v11(60.52,70.5) ; v11(33.54,61.04) 33.54,61.69 v11(33.55,61.7) ; v1(51.24,69.17) 51.7,69.17 51.96,68.91 v11(53.46,68.91) ; v11(8.03,80.07) 7.39,80.07 6.65,80.8 REF**#657.1 ; 62.72,50.18 62.72,49.88 63.31,49.29 v11(63.66,49.29) ; 141.65,14.22 141.66,14.21 REF**#476.1 ; v11(98.19,10.9) 98.19,7.92 99.05,7.06 105.37,7.06 v3(105.81,7.5) ; v11(57.64,60.98) 58,60.98 58.31,61.29 58.31,61.91 58,62.22 57.43,62.22 56.99,62.66 56.99,63.1 56.5,63.59 56,63.59 55.72,63.87 55.72,64.82 55.09,65.45 ; 56.36,64.18 56.66,63.88 v11(56.98,63.88) ; 62.7,64.18 62.33,64.18 62.03,63.88 v11(62.03,62.17) ; v11(58.96,71.39) 59.18,71.61 60.45,71.61 60.59,71.47 61.15,71.47 61.58,71.04 61.58,70.14 61.91,69.81 62.41,69.81 62.54,69.68 64.12,69.68 64.34,69.46 64.34,68.89 v11(65.05,68.18) ; v11(39.64,13.85) 39.35,13.85 39.19,14.01 27.27,14.01 26.07,15.21 v1(26.07,15.9) ; v11(55.72,59.12) v11(55.72,58.34) ; v11(29.72,41.98) 35.27,41.98 35.45,41.8 35.45,41.25 35.79,40.91 41.13,40.91 v11(41.14,40.9) ; U23.N10 43.51,80.72 44.57,79.66 49.28,79.66 v11(49.3,79.64) ; REF**#555.2 64.82,12.98 64.32,12.48 64.32,11.08 63.9,10.66 63.14,10.66 62.84,10.36 62.84,9.85 62.96,9.73 v1(62.96,8.17) ; U1.A8 43.14,30.43 43.14,32.23 42.52,32.85 42.52,33.84 43.03,34.35 44.08,34.35 44.35,34.62 44.35,35.35 44.57,35.57 v11(45.08,35.57) ; v11(44.81,71.84) 44.75,71.9 42.33,71.9 42.05,72.18 v1(42.05,72.65) ; v11(41.67,86.34) 41.68,86.33 U23.N6 ; v11(49.33,63.41) 48.49,63.41 48.09,63.01 v11(48.09,62.49) ; v11(52.09,86.48) 52.33,86.24 52.79,86.24 52.81,86.26 54.94,86.26 55.1,86.1 56.39,86.1 57.8,84.69 59.71,84.69 59.88,84.52 v11(59.88,82.97) ; v11(64.58,60.19) 64.58,59.98 64.75,59.81 64.75,58.77 64.92,58.6 64.92,51.58 65.81,50.69 65.81,49.67 64.97,48.83 64.97,48.67 v11(64.29,47.99) ; v11(61.52,36.79) 61.48,36.75 U1.R3 62.18,35.52 62.18,34.62 62.49,34.31 63.11,34.31 63.35,34.07 v11(63.35,26.4) ; v11(62.71,62.23) 62.7,62.24 62.7,62.91 ; 3.13,76.2 v1(3.07,76.14) 3.58,76.14 3.74,75.98 6.14,75.98 6.64,76.48 7.14,76.48 8.21,75.41 8.21,72.6 8.01,72.4 7.25,72.4 7.06,72.21 7.06,71.16 8.57,69.65 REF**#612.3 ; v11(29.16,61.31) 28.57,61.9 28.57,63.53 29.17,64.13 29.17,64.88 29.05,65 29.05,68.19 29.29,68.43 29.29,68.78 29.02,69.05 28.73,69.05 28.31,69.47 28.31,70.69 v11(28.17,70.83) ; v11(111.95,36.66) 112.03,36.74 U28.13 113.44,36.72 v11(113.46,36.72) ; v1(16.96,58.42) 16.98,58.4 REF**#478.2 ; v11(40.35,64.79) 40.35,65.99 40.24,66.1 40.24,66.17 40.25,66.18 40.25,66.57 40.49,66.81 v11(40.49,67.13) ; v11(47.96,38.05) 49.17,38.05 49.73,37.49 U1.F2 ; v11(34.74,73.95) 32.34,73.95 32.06,73.67 REF**#791.2 ; v1(6.66,89.21) 6.66,87.84 7.55,86.95 8.09,86.95 8.57,86.47 8.57,85.57 8.42,85.42 v11(7.48,85.42) ; v11(41.48,55.84) 40.7,55.06 v11(38.47,55.06) ; REF**#474.1 31.55,54.43 v11(31.53,54.41) ; U1.T6 62.75,31.81 v11(62.76,31.8) ; U1.H2 52.6,37.5 v11(52.6,37.64) ; v11(59.5,45.84) 59.55,45.89 63.6,45.89 v11(63.67,45.82) ; v11(51.36,70.93) 51.4,70.97 v11(52.46,70.97) ; U54.1 114.34,27.23 115.2,26.37 v11(115.54,26.37) ; v11(54.73,60.91) 55.39,60.91 55.7,60.6 v11(55.7,59.87) ; U1.B5 44.97,33.04 v11(44.95,33.02) ; v11(52.6,62.17) 52.58,62.19 v11(49.66,62.19) ; v11(41.69,75.41) 41.68,75.42 U23.N13 ; v11(65.44,65.8) 65.16,65.52 65.16,61.55 65.39,61.32 v11(65.39,60.89) 65.39,59.06 66.06,58.39 66.06,53.19 v11(67.13,52.12) ; REF**#807.2 54.74,42.83 v11(54.74,42.28) ; v11(51.53,86.47) 52.11,87.05 52.85,87.05 53.43,86.47 55.09,86.47 55.25,86.31 56.5,86.31 57.93,84.88 60.02,84.88 60.18,84.72 60.18,84.23 60.34,84.07 60.59,84.07 61.04,83.62 61.04,82.34 61.24,82.14 v11(61.24,78.95) ; v1(43.35,98.59) 43.35,98.12 43.43,98.04 43.43,98.04 REF**#636.3 ; v11(51.26,65.96) 51.28,65.98 51.28,66.72 ; v11(40.38,86.82) 40.38,87.04 U23.M5 ; v11(49.11,18.69) 49.15,18.65 49.15,18.17 49.62,17.7 63.75,17.7 64.29,18.24 64.29,19.24 63.99,19.54 63.99,21.9 63.8,22.09 63.8,23.94 63.66,24.08 v11(63,24.08) ; 53.82,65.45 54.33,65.45 54.5,65.62 v1(54.5,65.92) ; 62.72,61.61 62.72,60.98 v11(62.74,60.96) ; v11(50.44,55.86) 55.63,55.86 55.75,55.98 v11(55.75,56.46) ; U23.K8 37.94,83.19 v11(38.03,83.19) ; U23.M9 40.41,82.54 v11(40.39,82.56) ; U28.11 114.3,35.44 114.53,35.67 114.53,37.41 114.75,37.63 118.23,37.63 118.37,37.77 120.25,37.77 120.25,37.75 v11(121.12,36.88) ; v11(43.7,26.65) U1.A11 ; REF**#807.4 54.1,44.41 v11(54.47,44.04) ; v11(103.23,13.9) 103.23,13.9 U14.15 ; v11(60.81,60.2) v11(60.81,63.37) ; v1(46.27,18.84) 46.24,18.87 ; v11(42.99,83.84) 43.14,83.84 43.56,83.42 43.56,83.34 43.56,83.34 43.56,82.92 43.8,82.68 49.06,82.68 49.36,82.98 49.36,84.99 50.6,86.23 51.93,86.23 52.09,86.07 52.9,86.07 52.96,86.13 54.19,86.13 v1(54.59,85.73) ; v11(61.45,58.43) 61.45,59.07 ; v11(63.5,37.19) 63.5,36.12 v11(63.48,36.1) ; 58.89,61.64 58.89,60.98 v11(58.89,60.97) ; v11(49.34,39.56) 49.34,38.45 49.39,38.4 49.39,38.39 49.68,38.1 v11(50.03,38.1) ; v11(42.64,48.03) 42.64,51.55 43.12,52.03 44.66,52.03 44.94,52.31 44.94,52.72 ; U54.3 113.5,28.51 v11(113.94,28.51) ; v11(56.33,67.24) 56.36,67.27 56.36,67.99 ; v11(41.03,46.98) 41.01,46.96 37.49,46.96 36.9,47.55 v1(36.9,47.88) ; v11(44.93,64.79) 44.93,65.45 ; REF**#769.2 48.88,43.93 v11(48.91,43.93) ; v1(87.38,10.68) 87.38,10.28 87.66,10 89.04,10 90.03,10.99 92.88,10.99 94.34,12.45 94.34,14.27 U8.11 ; REF**#762.2 34.69,56.16 35.13,55.72 35.13,54.61 35.66,54.08 v11(38.43,54.08) ; v11(108.57,25.02) 108.49,25.1 108.49,26.26 108.59,26.36 v11(108.59,28.63) ; v1(53.2,52.06) 53.2,52.08 ; U1.E2 48.77,37.5 v11(48.77,37.65) ; v11(96.25,48.09) 96.25,48.71 96.91,49.37 101.24,49.37 101.69,48.92 101.69,47.98 102.44,47.23 v11(102.44,42.73) ; REF**#494.2 66.86,13.69 66.3,14.25 v1(65.96,14.25) ; v11(112.15,20.85) 112.05,20.75 108.63,20.75 107.98,21.4 107.98,22.29 107.79,22.48 107.3,22.48 106.78,23 REF**#853.14 ; v11(64.43,65.17) 63.95,65.17 63.7,65.42 62.72,65.42 ; v3(124.64,31.23) 125.18,31.23 125.45,30.96 U41.6 ; v11(55.39,43.45) 55.39,42.85 REF**#807.1 ; 41,80.04 v1(41.03,80.04) ; v11(50.01,66.06) 50.01,66.72 ; v11(109.32,26.38) v11(109.32,30.36) ; v5(138.25,14.3) 139.17,14.3 139.75,13.72 REF**#859.8 ; v11(59.63,23.62) v11(59.63,24.59) ; v1(42.52,20.54) 42.52,21.36 42.7,21.54 v11(46.55,21.54) ; v11(96.87,10.33) 96.87,11.4 97.11,11.64 REF**#634.2 ; v11(94.53,18.96) U8.18 ; v11(41.17,27.69) v11(41.17,22.92) ; v1(34.65,87.67) 34.66,87.67